# Altium PCB GPS_Traking_V1_1.PcbDoc (part 1 of 2)
Units mm, origin at the board's own origin, x right, y up, seen from the top; angles counter-clockwise.
Board outline 120 x 75 mm, 2 copper layers (Top Layer, Bottom Layer); 165 components, 122 nets, 544 pads, 486 vias.
Unrouted connection lines stored in the file: 3.
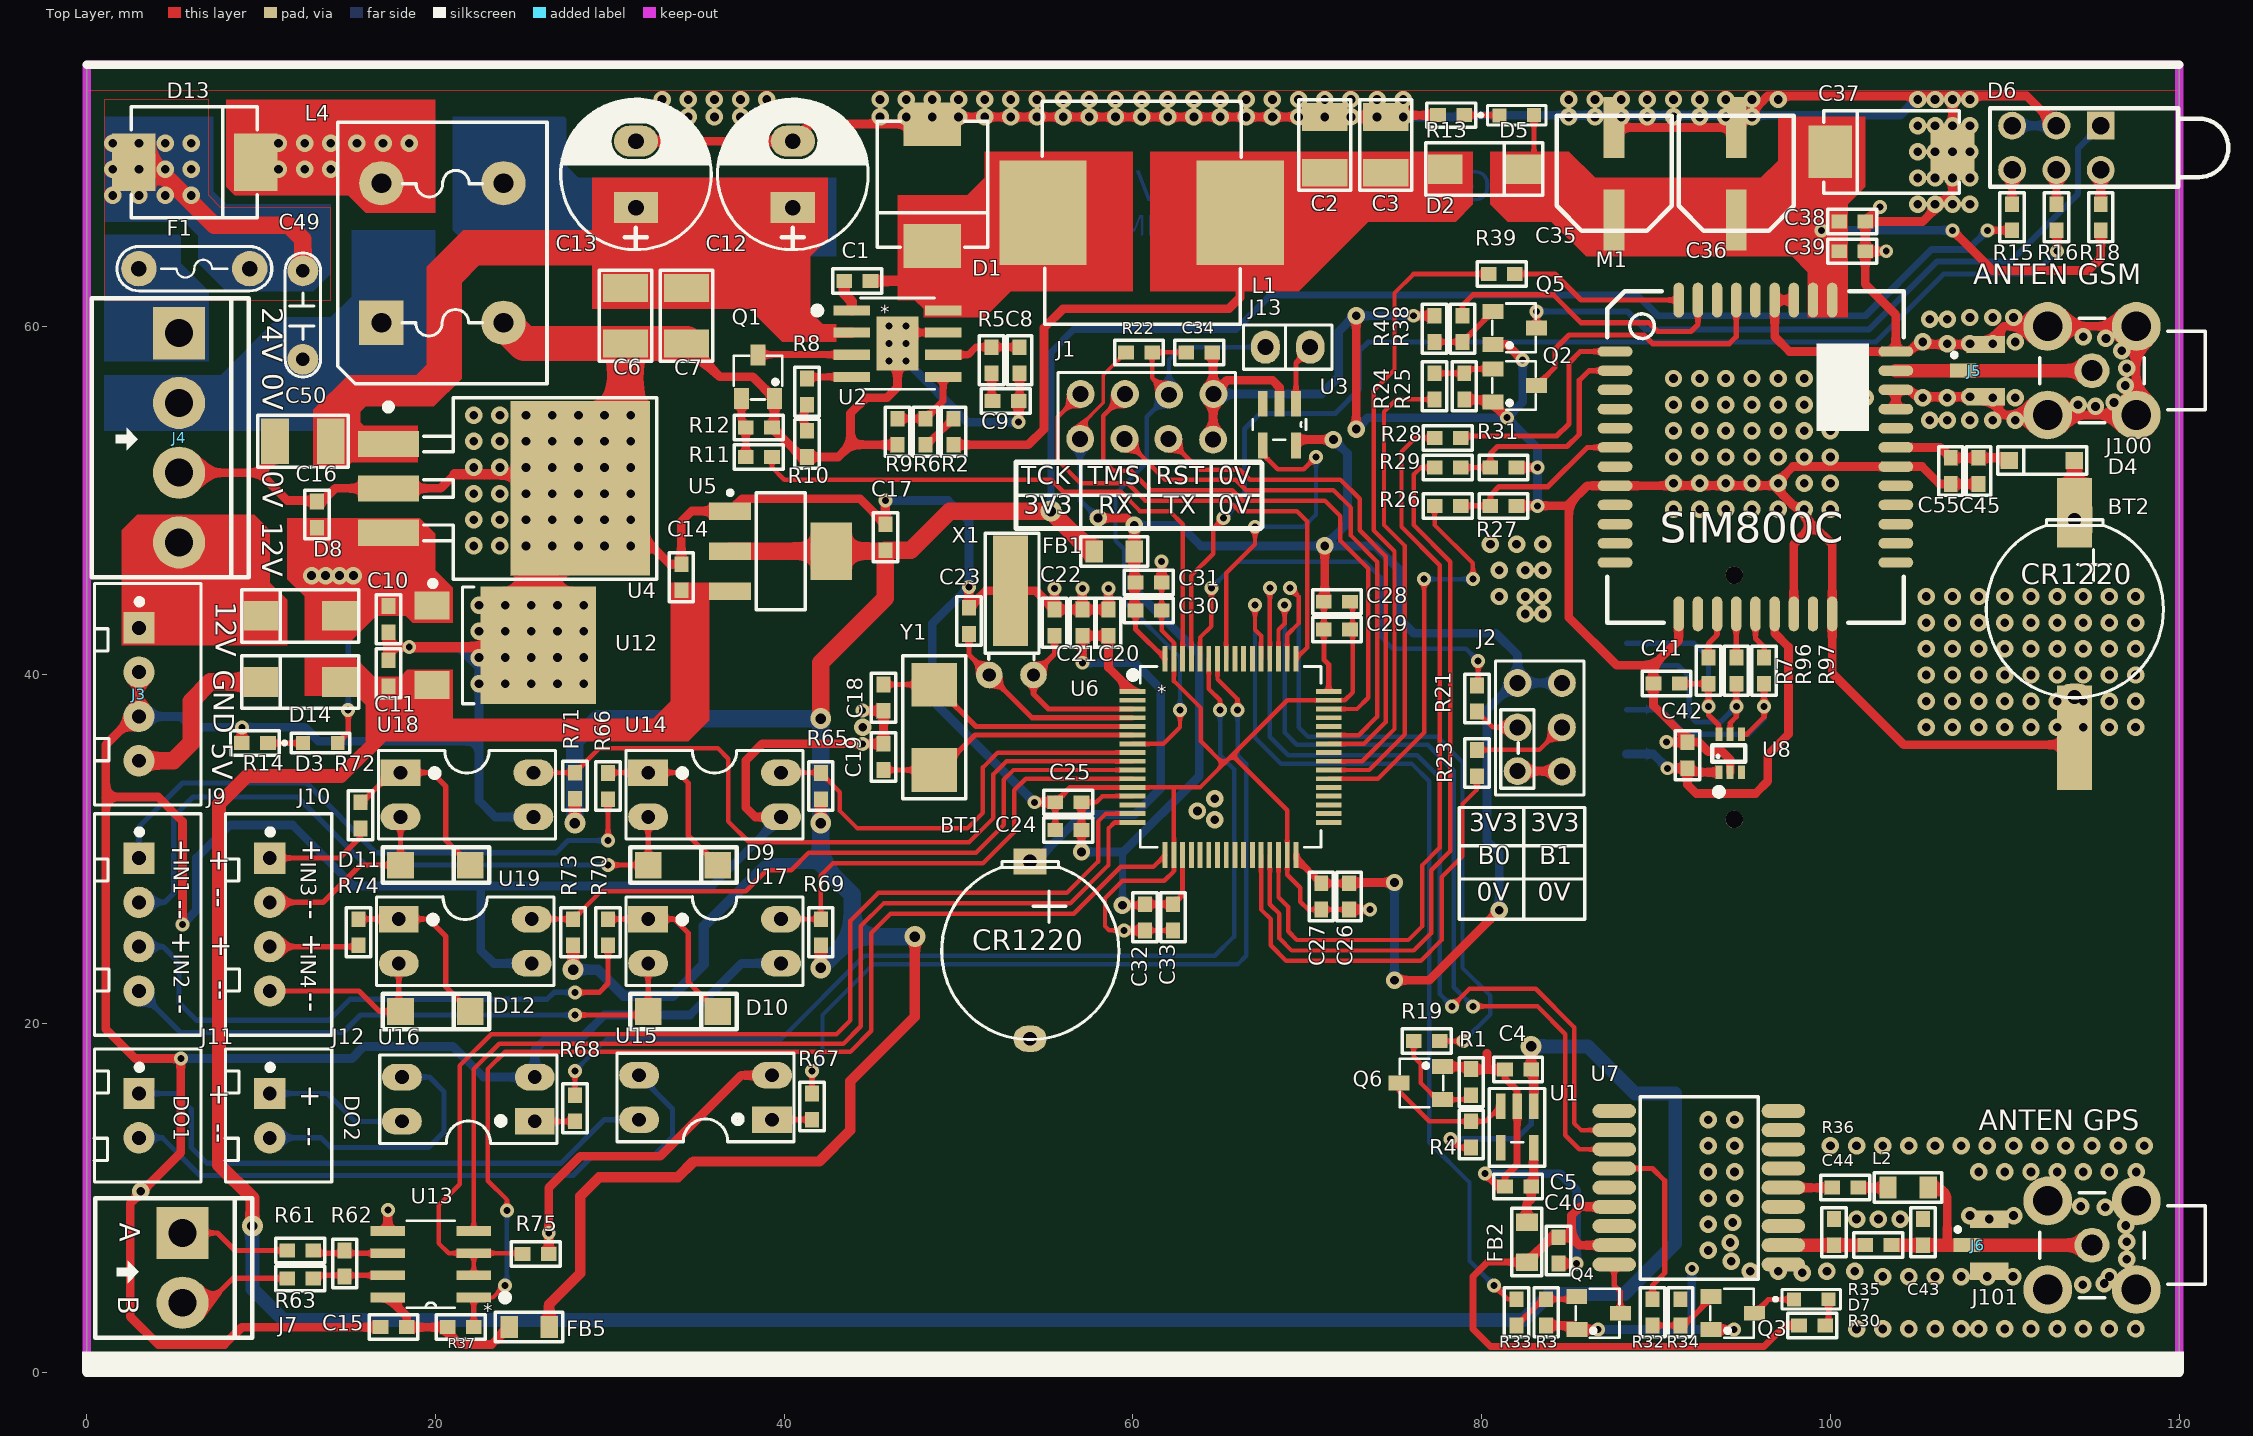
[diagram p0: Top Layer view]
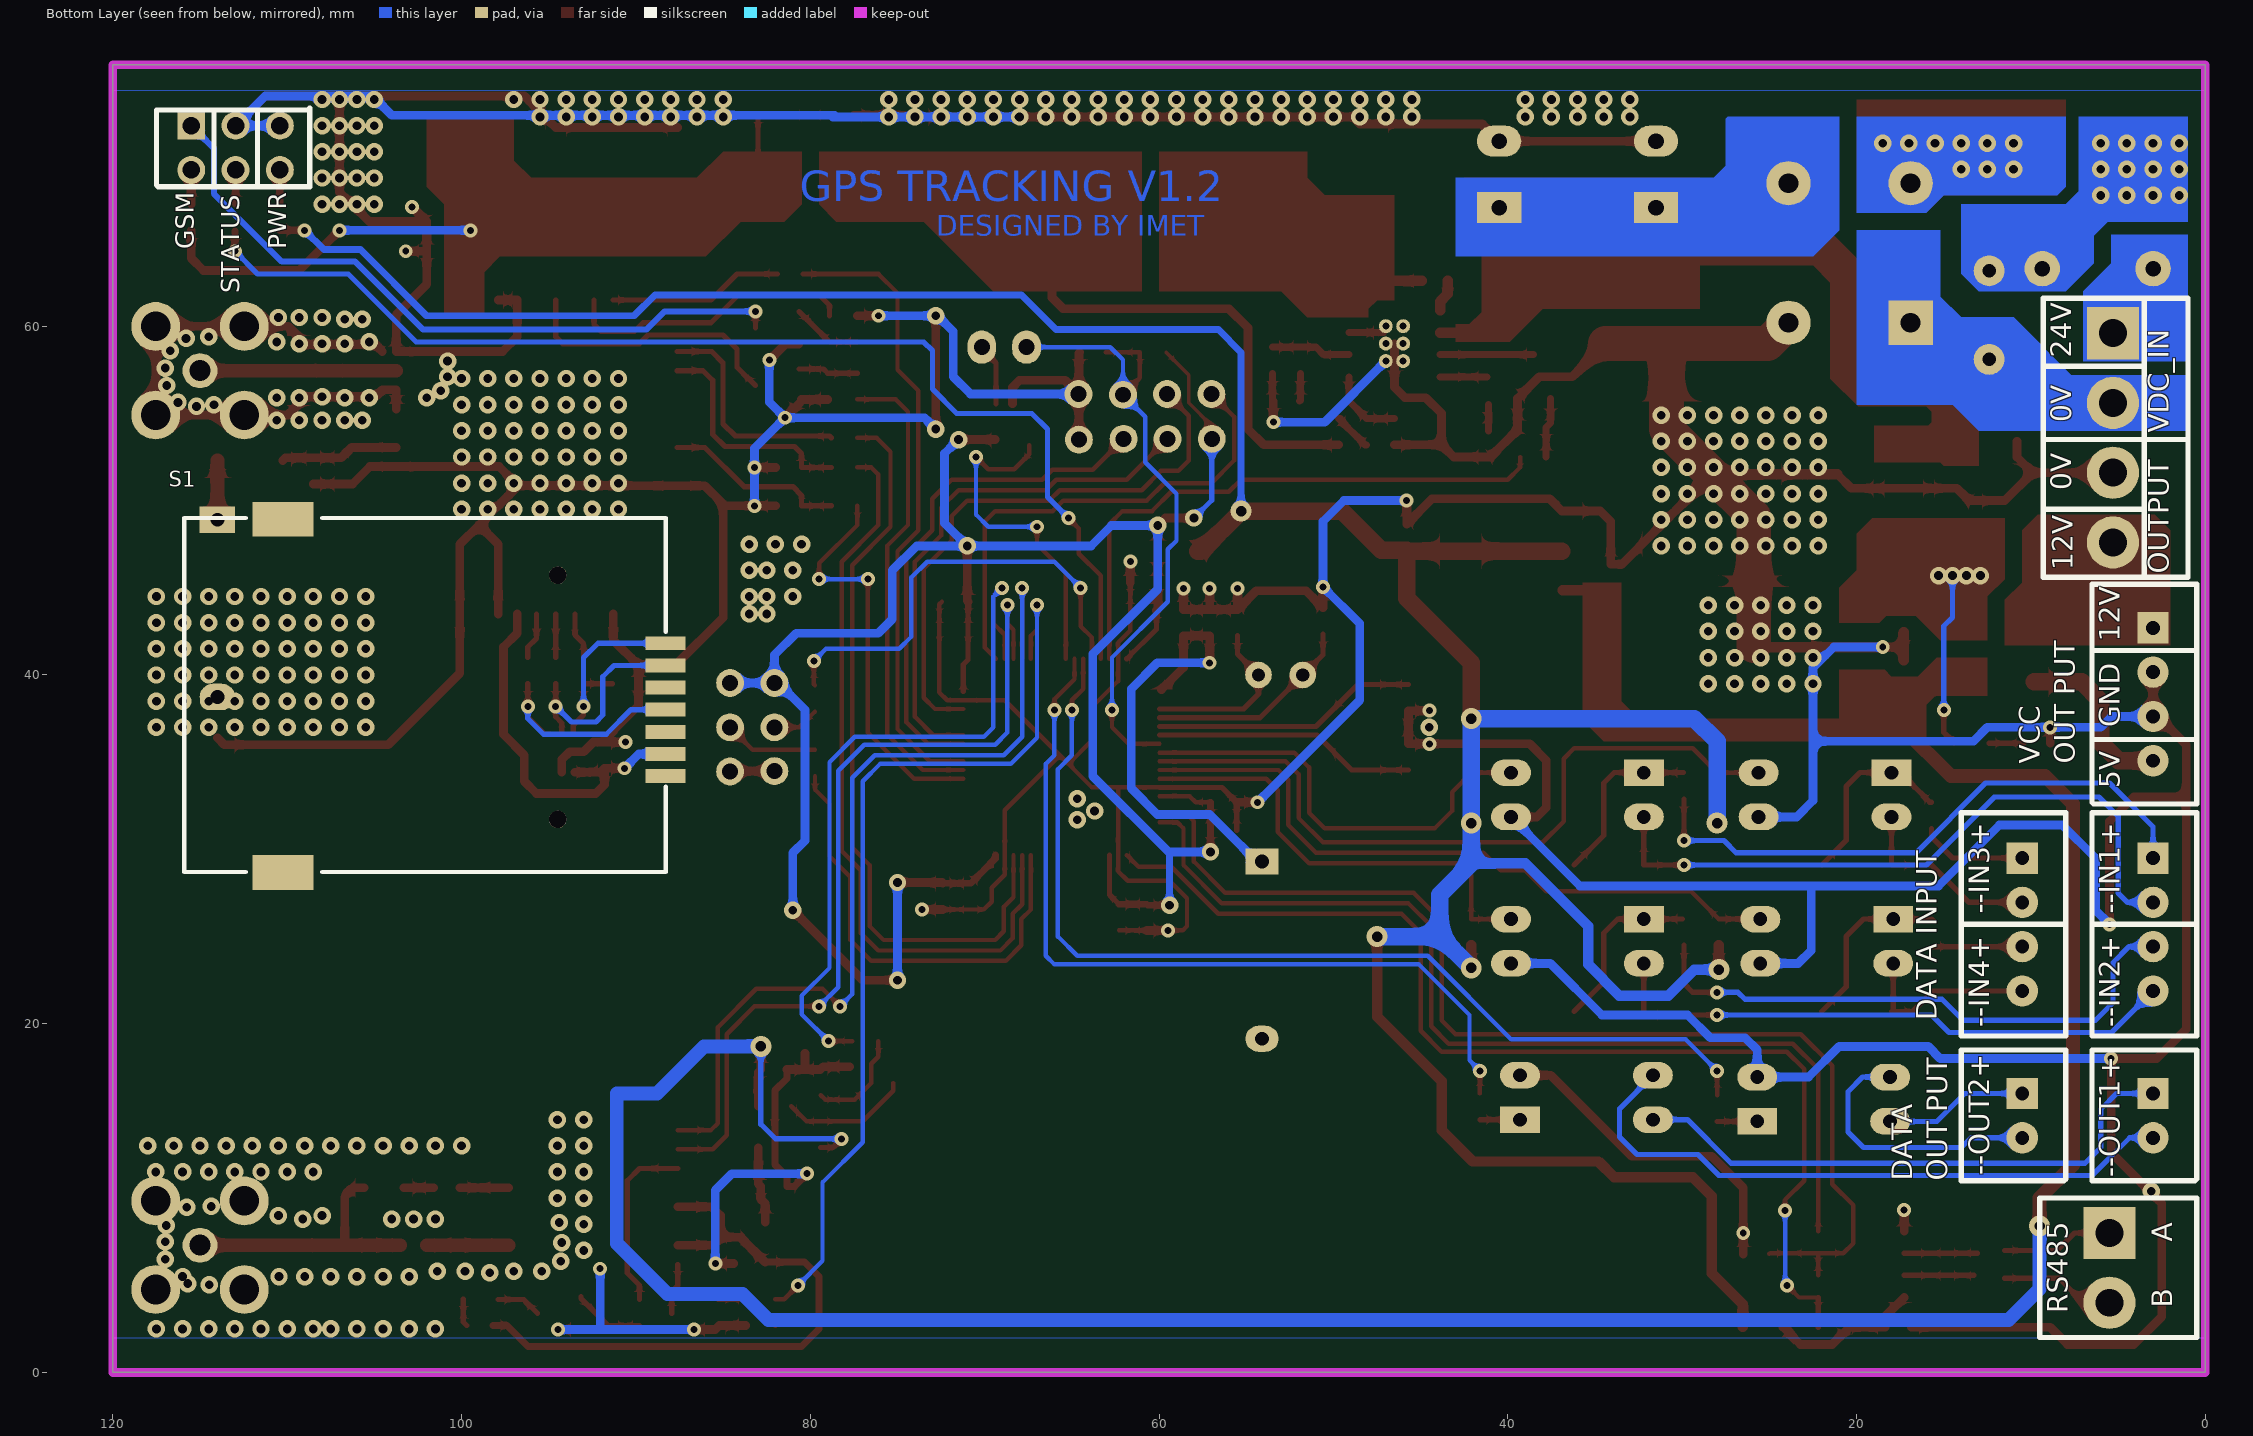
[diagram p1: Bottom Layer view, seen from below]

## Layer stack, top to bottom
Top Solder: solder mask 0.0102, Solder Resist, Dk 3.5
Top Layer: signal copper 0.0356
Dielectric 1: dielectric 0.32, FR-4, Dk 4.8
Bottom Layer: signal copper 0.0356
Bottom Solder: solder mask 0.0102, Solder Resist, Dk 3.5

## Board outline
0,0 120,0 120,75 0,75

## Design rules (kind name [scope] priority, off if disabled: settings)
Clearance [All] p1: gap=0.2 ignorepadtopadclearanceinfootprint=FALSE except(0: Arc-Hole Track-Hole SMDPad-Hole THPad-Hole Via-Hole Fill-Hole Poly-Hole Region-Hole Text-Hole)
PolygonConnect [All] p1: connectstyle=Direct reliefconductorwidth=0.5 reliefentries=4 polygonreliefangle="90 Angle" airgapwidth=0.5
RoomDefinition "[06] Data IN_OUT" [InComponentClass('[06] Data IN_OUT')] p1: confinementstyle=ConfineIn formatcopy=TRUE lockcomponents=FALSE outline -45,-45 5.8,-45 5.8,-19.6 -45,-19.6
RoomDefinition "[05] RTC_RS232_USB" [InComponentClass('[05] RTC_RS232_USB')] p2: confinementstyle=ConfineIn formatcopy=TRUE lockcomponents=FALSE outline -45,-45 5.8,-45 5.8,-19.6 -45,-19.6
RoomDefinition "[03] GSM_GPRS_GPS" [InComponentClass('[03] GSM_GPRS_GPS')] p3: confinementstyle=ConfineIn formatcopy=TRUE lockcomponents=FALSE outline -45,-45 5.8,-45 5.8,-19.6 -45,-19.6
RoomDefinition "[02] MCU" [InComponentClass('[02] MCU')] p4: confinementstyle=ConfineIn formatcopy=TRUE lockcomponents=FALSE outline -45,-45 5.8,-45 5.8,-19.6 -45,-19.6
RoomDefinition "[01] Power Suppy" [InComponentClass('[01] Power Suppy')] p5: confinementstyle=ConfineIn formatcopy=TRUE lockcomponents=FALSE outline -45,-45 5.8,-45 5.8,-19.6 -45,-19.6
RoutingVias [All] p1: holewidth=0.4 width=0.8 viastyle="Through Hole" minholewidth=0.4 minwidth=0.8 maxholewidth=10 maxwidth=10
SolderMaskExpansion [All] p1: expansion=0.102
Width [All] p1: maxlimit=10 minlimit=0.2 preferedwidth=0.3
30 further rules are at their usual default settings.

## Classes and differential pairs
component class "[05] RTC_RS232_USB": C15 FB5 J7 R37 R61 R62 R63 R75 U13
component class "[01] Power Suppy": C1 C2 C3 C4 C5 C6 C7 C8 C9 C10 C11 C12 C13 C14 C16 C17 C49 C50 D1 D2 D3 D5 D13 F1 L1 L4 Q1 Q6 R1 R2 R4 R5 R6 R8 R9 R10 R11 R12 R13 R14 R19 U1 U2 U4 U5 U12
component class "[02] MCU": BT1 C18 C19 C20 C21 C22 C23 C24 C25 C26 C27 C28 C29 C30 C31 C32 C33 C34 D6 FB1 J1 J2 J13 R15 R16 R18 R21 R22 R23 U3 U6 X1 Y1
component class "[03] GSM_GPRS_GPS": BT2 C35 C36 C37 C38 C39 C40 C41 C42 C43 C44 C45 C55 D4 D7 FB2 J5 J6 J100 J101 L2 M1 Q2 Q3 Q4 Q5 R3 R7 R24 R25 R26 R27 R28 R29 R30 R31 R32 R33 R34 R35 R36 R38 R39 R40 R96 R97 S1 U8
component class "[06] Data IN_OUT": D8 D9 D10 D11 D12 D14 J3 J4 J9 J10 J11 J12 R65 R66 R67 R68 R69 R70 R71 R72 R73 R74 U14 U15 U16 U17 U18 U19

## Components (designator, comment, footprint, x,y, rotation, side; value= is the part's Value field where it differs from the comment)
BT1 "PIN 3V" PIN3V_mini#1 54.1,29.3 r270 top
BT2 "PIN 3V" PIN3V_mini#2 114,48.9 r270 top
C1 "104" "C0603 SMT" 44.2,62.6 r0 top value=103
C2 "47uF" SM-1210 71,72 r270 top value=103
C3 "47uF" SM-1210 74.5,72 r270 top value=103
C4 "1uF" "C0603 SMT" 82.088,17.37 r0 top value=103
C5 "1uF" "C0603 SMT" 82.088,10.67 r0 top value=103
C6 "2.2uF/100V" SM-1210 30.9,59 r90 top value=103
C7 "2.2uF/100V" SM-1210 34.4,59 r90 top value=103
C8 "39pF" "C0603 SMT" 53.5,58.05 r90 top value=103
C9 "6800pF" "C0603 SMT" 52.7,55.7 r180 top value=103
C10 "10uF/25V" "C0603 SMT" 17.3,43.2 r90 top value=103
C11 "10uF/25V" "C0603 SMT" 17.3,40.1 r270 top value=103
C12 "100uF/100V" CP1.5/3.4 40.5,66.8 r90 top value=1000uF/16V
C13 "100uF/100V" CP1.5/3.4 31.5,66.8 r90 top value=1000uF/16V
C14 "10uF/16V" "C0603 SMT" 34.1,45.6 r270 top value=103
C15 "104" "C0603 SMT" 17.6,2.6 r0 top value=103
C16 "104" "C0603 SMT" 13.2,49.2 r270 top value=103
C17 "10uF/16V" "C0603 SMT" 45.8,47.9 r270 top value=103
C18 "22pF" "C0603 SMT" 45.7,38.7 r270 top value=103
C19 "22pF" "C0603 SMT" 45.7,35.3 r90 top value=103
C20 "104" "C0603 SMT" 58.6,43 r270 top value=103
C21 "1uF" "C0603 SMT" 57.1,43 r270 top value=103
C22 "10pF" "C0603 SMT" 55.5,43 r90 top value=103
C23 "10pF" "C0603 SMT" 50.6,43.1 r90 top value=103
C24 "1uF" "C0603 SMT" 56.3,31.1 r0 top value=103
C25 "104" "C0603 SMT" 56.3,32.7 r0 top value=103
C26 "10uF" "C0603 SMT" 72.4,27.3 r90 top value=103
C27 "104" "C0603 SMT" 70.8,27.3 r90 top value=103
C28 "10uF" "C0603 SMT" 71.7,44.2 r180 top value=103
C29 "104" "C0603 SMT" 71.7,42.6 r180 top value=103
C30 "10uF" "C0603 SMT" 60.9,43.7 r180 top value=103
C31 "104" "C0603 SMT" 60.9,45.3 r180 top value=103
C32 "10uF" "C0603 SMT" 60.7,26.1 r90 top value=103
C33 "104" "C0603 SMT" 62.3,26.1 r90 top value=103
C34 "104" "C0603 SMT" 63.8,58.5 r0 top value=103
C35 "470uF/6V3" C_Alu_6.3x7.7 87.6,66.1 r180 top value=10uF/50V
C36 "470uF/6V3" C_Alu_6.3x7.7 94.6,66.1 r180 top value=10uF/50V
C37 "100uF/16V" C_7343_40 100,70 r0 top value=10uF/50V
C38 "104" "C0603 SMT" 101.25,66 r0 top value=103
C39 "10nF" "C0603 SMT" 101.25,64.3 r0 top value=103
C40 "104" "C0603 SMT" 84.4,7 r90 top value=103
C41 "22pF" "C0603 SMT" 90.6,39.5 r180 top value=103
C42 "104" "C0603 SMT" 91.8,35.4 r90 top value=103
C43 "NM" "C0603 SMT" 105.3,8.05 r270 top value=103
C44 "NM" "C0603 SMT" 100.2,8.05 r270 top value=103
C45 "1uF" "C0603 SMT" 108.5,51.7 r90 top value=103
C49 "5D330K 33V" CN2 12.4,58.1 r90 top value=0,1uF/300V
C50 "2.2uF/100V" SM-1210 10.8,53.4 r0 top value=103
C55 "104" "C0603 SMT" 106.9,51.7 r90 top value=103
D1 "B560C-13-F" "DO-214AB SMC" 48.5,71.5 r270 top value=1N5408
D2 "B340-13-F" "DO-214AB SMA" 78,69 r0 top value=1N4007
D3 "PWR_12V" Led_0603_Yellow 14.4,36.1 r180 top value="LED 3 ly Single Colour"
D4 "1N5819" SOD123 113.9,52.3 r180 top value=1N4007
D5 "PWR_4V" Led_0603_Green 83,72.1 r180 top value="LED 3 ly Single Colour"
D6 "LED3mm" "LED 3 holder 3mm" 115.5,71.5 r180 top value="LED 3 ly Single Colour"
D7 "GPS" Led_0603_RED 99.9,4.2 r180 top value="LED 3 ly Single Colour"
D8 "B340-13-F" "DO-214AB SMA" 14.4,43.4 r180 top value=1N4007
D9 "4148" "DO-4148 SMD" 32.2,29.1 r0 top value=1N4007
D10 "4148" "DO-4148 SMD" 32.2,20.7 r0 top value=1N4007
D11 "4148" "DO-4148 SMD" 18,29.1 r0 top value=1N4007
D12 "4148" "DO-4148 SMD" 18,20.7 r0 top value=1N4007
D13 "B560C-13-F" "DO-214AB SMC" 2.8,69.4 r0 top value=1N5408
D14 "B340-13-F" "DO-214AB SMA" 14.4,39.6 r180 top value=1N4007
F1 "RKEF300HF-ND" FUSE2 3,63.3 r0 top value=Fuse
FB1 "BLM21PG600SN1D" R0805 58.9,47.1 r0 top
FB2 "BLM21PG600SN1D" R0805 82.6,7.5 r270 top
FB5 "BLM21PG600SN1D" R0805 25.4,2.6 r180 top
J1 "JTAG" JP4x2 60.8,54.8 r0 top value="Connector 4x2"
J2 "BOOT" JP3x2 83.33,37 r270 top value="Connector 3x2"
J3 "PWR OUT" CON_2.54mm_4 3,42.7 r270 top value="Connector 4"
J4 "PWR" Hed4V_3.96 5.3,59.6 r270 top value="Header 4"
J5 "GSM" Antenna-IPEX 108.9,57.45 r270 top
J6 "GPS" Antenna-IPEX 109.1,7.3 r270 top
J7 "RS485" Hed2V_3.96 5.5,8 r270 top value="Header 2"
J9 "DATA IN1-2" CON_2.54mm_4 3,29.5 r270 top value="Connector 4"
J10 "DATA IN3-4" CON_2.54mm_4 10.5,29.5 r270 top value="Connector 4"
J11 "DATA OUT1" CON_2.54mm_2 3,16 r270 top value="Connector 2"
J12 "DATA OUT2" CON_2.54mm_2 10.5,16 r270 top value="Connector 2"
J13 "watdog" JP2 67.6,58.8 r0 top value="JP 2"
J100 "GPS_ANTENNA" Antenna-MCX5.08-H5 115,57.45 r180 top locked
J101 "GPS_ANTENNA" Antenna-MCX5.08-H5 115,7.3 r180 top locked
L1 "6.8uH" "L01 SMD 12*12*6" 60.5,66.5 r0 top value="150 mH"
L2 "47nH" C0805 105.6,10.6 r180 top value="150 mH"
L4 "L" "L2 UF9.8" 16.9,60.2 r0 top value="Loc 220"
M1 "SIM800C" SIM800C 95.7,52.5 r0 top
Q1 "C1815" SOT23B 38.5,57.1 r0 top
Q2 "C1815" SOT23B 81.9,56.6 r270 top
Q3 "C1815" SOT23B 94.4,3.4 r270 top
Q4 "C1815" SOT23B 86.7,3.4 r270 top
Q5 "C1815" SOT23B 81.9,59.9 r270 top
Q6 "C1815" SOT23B 76.5,16.6 r90 top
R1 "100K" "R0603 -SMT" 79.4,16.6 r270 top value=1K
R2 "22K" "R0603 -SMT" 49.7,53.9 r270 top value=1K
R3 "100K" "R0603 -SMT" 83.7,3.5 r90 top value=1K
R4 "10K" "R0603 -SMT" 79.4,13.6 r270 top value=1K
R5 "10K" "R0603 -SMT" 51.9,58.1 r90 top value=1K
R6 "22K" "R0603 -SMT" 48.1,53.9 r270 top value=1K
R7 "51R" "R0603 -SMT" 93,40.3 r90 top value=1K
R8 "100K" "R0603 -SMT" 41.3,56.3 r90 top value=1K
R9 "10K" "R0603 -SMT" 46.5,54 r90 top value=1K
R10 "62K" "R0603 -SMT" 41.3,53.3 r90 top value=1K
R11 "4.7K" "R0603 -SMT" 38.6,52.5 r0 top value=1K
R12 "47K" "R0603 -SMT" 38.5,54.2 r180 top value=1K
R13 "1K" "R0603 -SMT" 78.3,72.1 r0 top
R14 "4K7" "R0603 -SMT" 9.7,36.1 r0 top value=1K
R15 "1K" "R0603 -SMT" 110.42,66.2 r270 top
R16 "1K" "R0603 -SMT" 112.96,66.2 r270 top
R18 "1K" "R0603 -SMT" 115.5,66.2 r270 top
R19 "1K" "R0603 -SMT" 76.9,19 r0 top
R21 "10K" "R0603 -SMT" 79.73,38.6 r270 top value=1K
R22 "10K" "R0603 -SMT" 60.3,58.5 r180 top value=1K
R23 "10K" "R0603 -SMT" 79.73,35 r90 top value=1K
R24 "1K" "R0603 -SMT" 77.3,56.6 r90 top
R25 "47K" "R0603 -SMT" 79,56.6 r90 top value=1K
R26 "1K" "R0603 -SMT" 78.1,49.7 r0 top
R27 "4K7" "R0603 -SMT" 81.2,49.7 r180 top value=1K
R28 "1K" "R0603 -SMT" 78.1,53.6 r0 top
R29 "1K" "R0603 -SMT" 78.1,51.9 r0 top
R30 "1K" "R0603 -SMT" 98.9,2.7 r180 top
R31 "4K7" "R0603 -SMT" 81.2,51.9 r180 top value=1K
R32 "1K" "R0603 -SMT" 89.8,3.4 r270 top
R33 "1K" "R0603 -SMT" 82,3.4 r270 top
R34 "100K" "R0603 -SMT" 91.4,3.4 r270 top value=1K
R35 "0R" "R0603 -SMT" 102.7,7.3 r180 top value=1K
R36 "0R" "R0603 -SMT" 100.8,10.6 r180 top value=1K
R37 "10K" "R0603 -SMT" 21.4,2.6 r180 top value=1K
R38 "1K" "R0603 -SMT" 78.9,59.8 r270 top
R39 "1K" "R0603 -SMT" 81.1,63 r180 top
R40 "47K" "R0603 -SMT" 77.3,59.8 r270 top value=1K
R61 "0R" "R0603 -SMT" 12.3,7 r0 top value=1K
R62 "120R" "R0603 -SMT" 14.8,6.3 r90 top value=1K
R63 "0R" "R0603 -SMT" 12.3,5.4 r0 top value=1K
R65 "10K" "R0603 -SMT" 42.1,33.58 r270 top value=1K
R66 "1K" "R0603 -SMT" 29.9,33.68 r90 top
R67 "330R" "R0603 -SMT" 41.6,15.2 r270 top value=1K
R68 "330R" "R0603 -SMT" 28,15.1 r270 top value=1K
R69 "10K" "R0603 -SMT" 42.1,25.2 r270 top value=1K
R70 "1K" "R0603 -SMT" 29.9,25.3 r90 top
R71 "10K" "R0603 -SMT" 28,33.6 r270 top value=1K
R72 "1K" "R0603 -SMT" 15.7,32 r90 top
R73 "10K" "R0603 -SMT" 27.9,25.2 r270 top value=1K
R74 "1K" "R0603 -SMT" 15.6,25.3 r90 top
R75 "10K" "R0603 -SMT" 25.7,6.8 r180 top value=1K
R96 "51R" "R0603 -SMT" 94.6,40.3 r90 top value=1K
R97 "51R" "R0603 -SMT" 96.2,40.3 r90 top value=1K
S1 "SIM PUSH PULL" "Sim Push Push" 88.3,34.2 r90 bottom locked
U1 "TLV70233DBVT" TLV70233_3.3V 82.988,15.27 r270 top
U2 "TPS54360DDA" DDA8_3P1X2P4-M 46.5,59 r0 top